# EAGLE board working (EAGLE 9.6.2), part 16 of 28
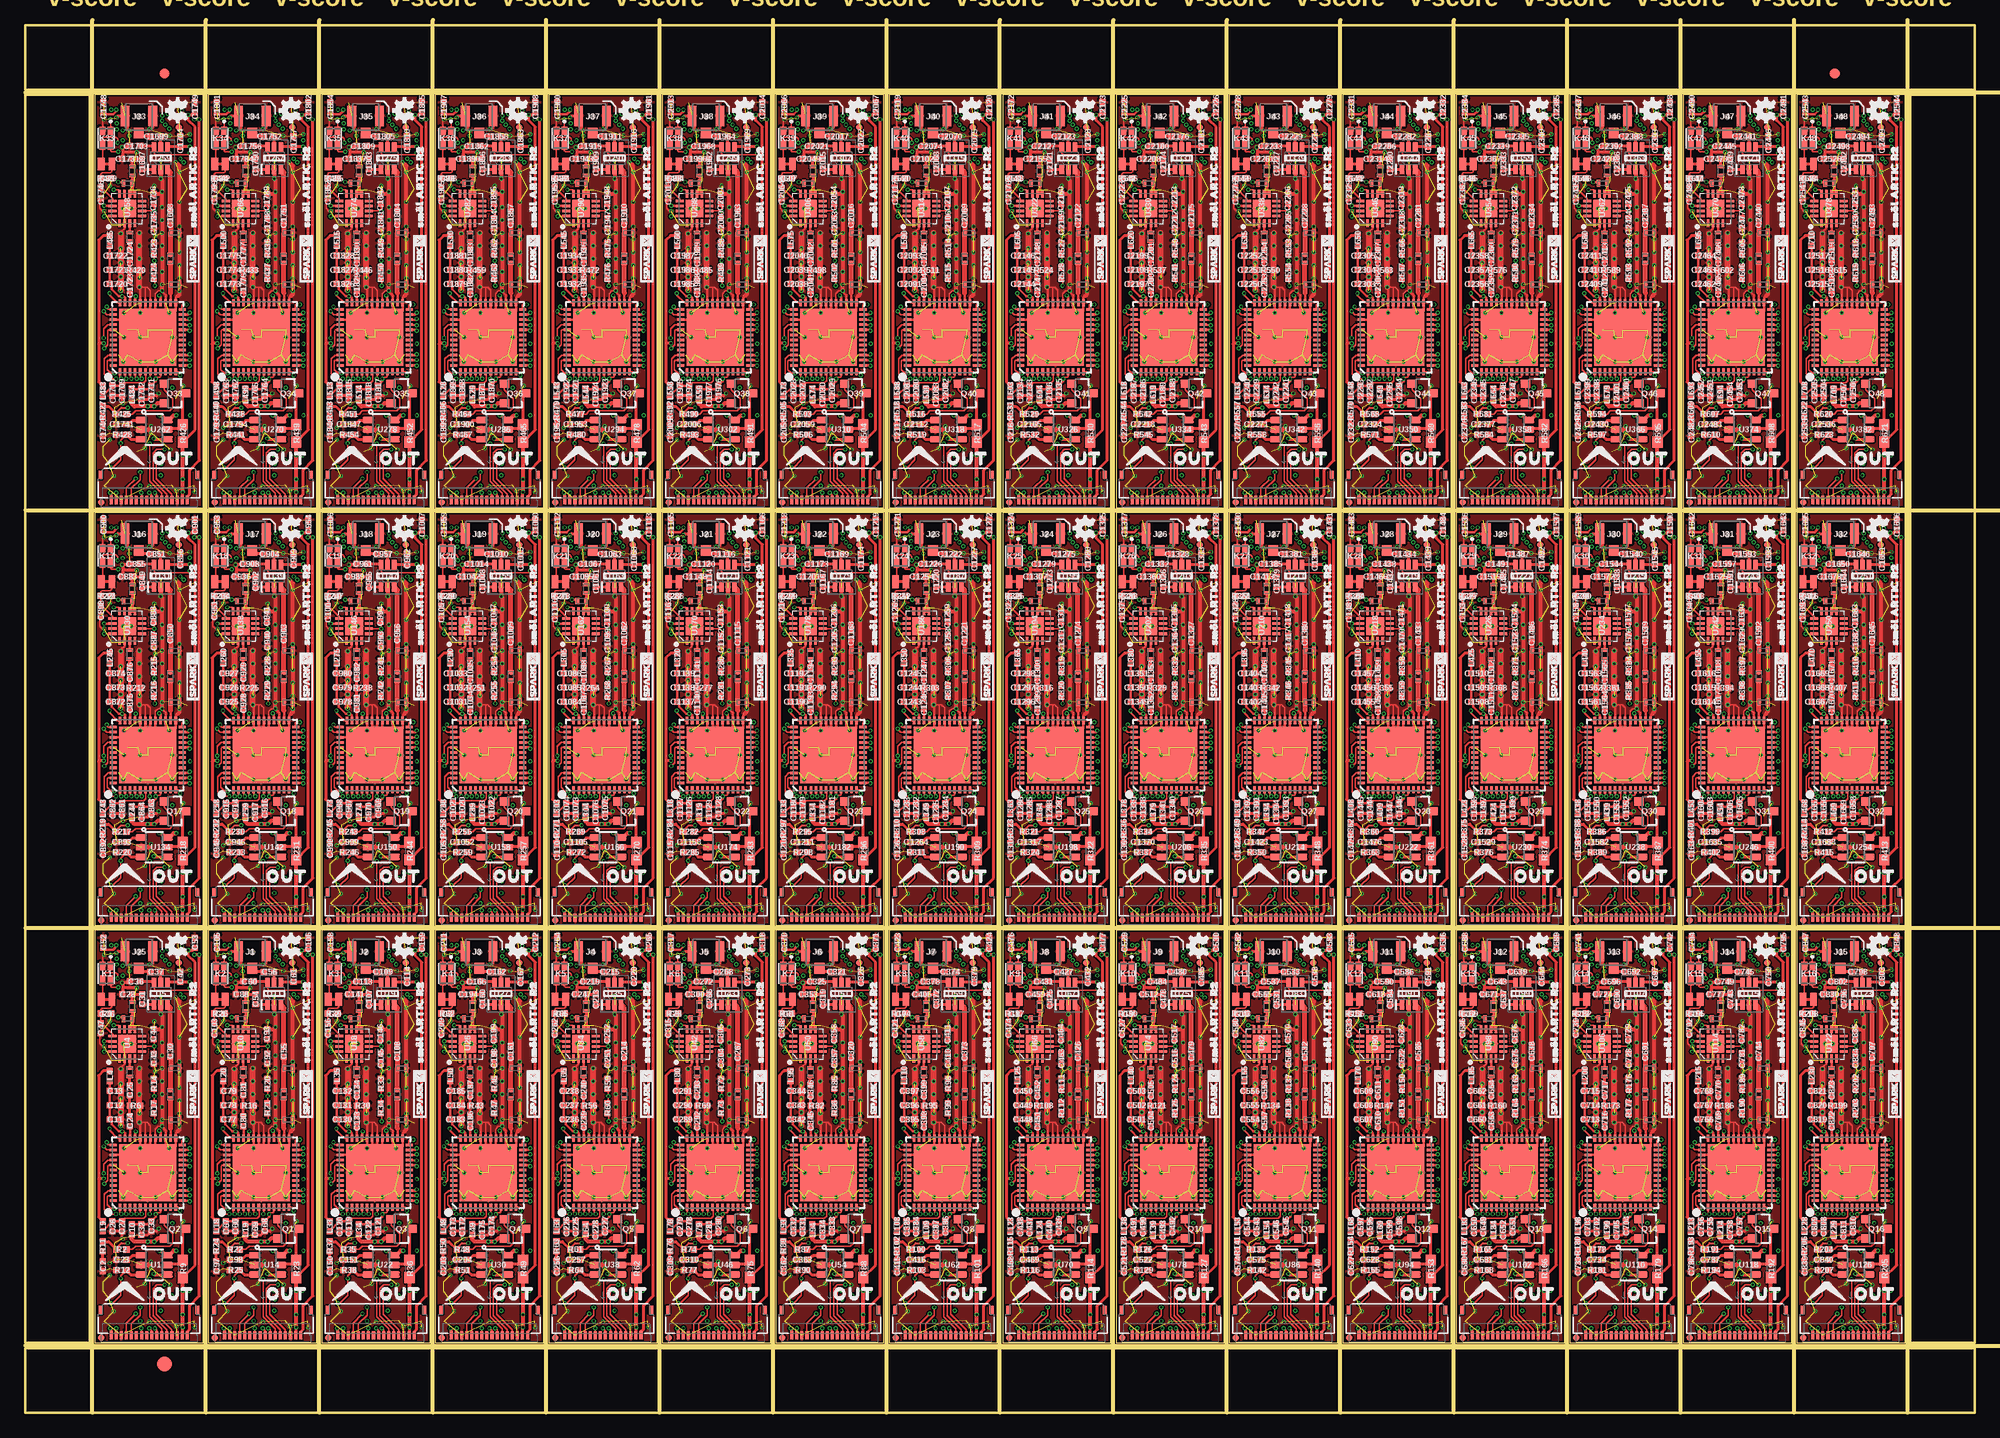
[diagram p0: board, top side]
## Tracks (layer width: path | path; a pad name or v marks a point on that pad's centre or on a via) (continued)
GND6  (via drill 0.2)  (89 unrouted) (continued)
  Top 0.254: v80.52,28.19 80.52,28.13 80.87,27.78 U49.27 80.87,25.94 80.9,25.91 | 82.04,27.69 81.87,27.52 U49.25 81.87,26.25 81.53,25.91 80.9,25.91 | 78.37,26.05 U49.32 78.37,28.5 v78.3,28.57 | 78.37,26.05 v78.36,26.04 | U49.39 76.53,25.37 76.77,25.62 v76.77,26.04 | 80.9,25.91 79.88,25.91 | 79.88,25.91 79.38,25.91 | 79.38,25.91 78.87,25.91 | 78.87,25.91 78.51,25.91 78.37,26.05 | U49.31 78.87,25.91 | U49.30 79.37,25.91 79.38,25.91 | U49.29 79.87,25.92 79.88,25.91
  Top 0.305: v76.01,45.27 76.17,45.44 J6.2 77.09,45.21 77.09,44.2 v77.28,44.01 | v79.25,44.13 79.44,44.13 79.61,44.3 J6.1 | C334.2 79.12,17.53 C333.2 79.95,17.85 v80.2,18.1 | v76.65,17.14 76.58,17.21 C331.2 C332.2 | C353.1 76.59,41.35 76.71,41.47 76.71,41.85 | 76.71,41.85 76.71,42.23 v76.58,42.35 77.22,42.35 C325.2 | v78.04,41.85 76.71,41.85
  Top 0.406: 82.04,27.69 82.22,27.86 L102.P$1 L103.P$1 82.22,34.53 v82.23,34.54 82.23,40.51 v81.85,40.89 | 78.36,30.22 R82.1 | v80.52,28.19 v80.52,28.83 v80.52,30.1 v80.52,31.37 v80.52,32.64 v80.52,33.91 v80.52,35.18 v80.52,36.45 v80.52,37.97 | C358.2 80.32,37.77 v80.52,37.97 | v79.44,14.86 79.12,14.54 | U54.2 79.12,14.54 | v79.44,14.22 79.12,14.54 | U51.2 v80.39,39.24 80.52,39.12 v80.52,37.97
  Top 0.61: v78.3,28.57 v78.3,29.46 v78.3,31.37 v78.3,32.64 v78.3,33.91 | 76.45,28.31 v76.45,29.59 v76.45,30.99 v76.45,32.38 v76.45,33.85
  Bottom 0.152: U55.4 82.79,18.68 v82.61,18.86 | v76.58,42.35 75.82,42.35 74.81,41.35 R83.2 C347.1 74.81,39.11 v75.37,38.54 | X7.2 75.35,23.95 74.17,23.95 | C323.2 74.17,13.46 74.17,20.9 | 74.17,23.95 74.17,27.12 74.36,27.3 C336.2 74.94,27.3 75.85,26.4 76.19,26.4 76.55,26.04 v76.77,26.04 | 74.17,23.95 74.17,20.9 | R81.2 74.18,20.9 74.17,20.9
  Bottom 0.254: X7.1 77.15,24 v76.77,23.62
  Bottom 0.305: C367.2 80.71,17.59 v80.2,18.1
  Bottom 0.406: v75.37,14.73 75.37,14.22 U52.2 75.37,14.1 v75.37,13.53
  other vias: 82.23,29.46 82.23,28.19 82.23,32 82.23,33.27 78.36,23.62 76.71,21.21 78.36,21.21 79.88,21.21 81.53,21.21 82.23,30.73 76.45,28.19 76.71,36.32 77.47,36.32 79.76,38.54 83.25,43.62 80.39,41.02 82.23,36.96 82.23,39.88 81.92,8.51 83.76,8.38 78.8,12.7 82.23,45.34 81.53,23.62 79.25,8.95 75.76,9.97 81.34,12.57 81.22,26.04 81.28,43.5 79.84,33.62 75.25,11.24
  cutout Route2 (isolate 0.305): 80.77,40.64 81.92,40.64 81.92,27.94 81.66,27.69 81.66,26.54 81.03,26.54 81.03,27.81 80.77,28.07
  pour Top (isolate 0.152, rank 3): 73.91,47.5 84.58,47.5 84.58,6.86 73.91,6.86
  pour Route2 (isolate 0.152, rank 2): 73.91,47.5 84.58,47.5 84.58,6.86 73.91,6.86
  pour Route15 (isolate 0.152, rank 2): 73.91,47.5 84.58,47.5 84.58,6.86 73.91,6.86
  pour Bottom (isolate 0.152, rank 2): 73.91,47.5 84.58,47.5 84.58,6.86 73.91,6.86
  pour Top (isolate 0.102): 76.2,35.18 78.61,35.18 78.61,26.29 76.2,26.29
  pour Top (isolate 0.102): 80.33,40.64 82.42,40.64 82.42,26.29 80.33,26.29
  pour Top (isolate 0.102): 76.84,41.59 80.33,41.59 80.33,37.15 76.84,37.15
  pour Top (isolate 0.102): 76.26,46.61 80.84,46.61 80.84,41.59 76.26,41.59
GND7  (via drill 0.2)  (89 unrouted)
  Top 0.152: U57.30 90.55,28.26 90.23,28.57 90.04,28.57 | v89.47,28.57 90.04,28.57 | U57.31 90.05,28.57 90.04,28.57 | U57.29 91.03,27.04 91.03,27.91 91.31,28.19 v91.69,28.19 | v85.98,36.07 85.79,36.07 85.54,36.32 85.54,37.22 C421.1 | K8.2 85.83,44.94 v85.98,45.08
  Top 0.203: U58.2 88.02,34.36 87.63,33.97 v87.63,33.85
  Top 0.254: v91.69,28.19 91.69,28.13 92.05,27.78 U57.27 92.05,25.94 92.08,25.91 | 93.22,27.69 93.05,27.52 U57.25 93.05,26.25 92.71,25.91 92.08,25.91 | v89.55,26.05 U57.32 89.55,28.5 v89.47,28.57 | v89.55,26.05 v89.54,26.04 | U57.39 87.7,25.37 87.95,25.62 v87.95,26.04 | 92.08,25.91 91.06,25.91 | 91.06,25.91 90.55,25.91 | 90.55,25.91 90.04,25.91 | 90.04,25.91 89.69,25.91 v89.55,26.05 | U57.31 90.05,25.91 90.04,25.91 | U57.30 90.55,25.91 | U57.29 91.05,25.92 91.06,25.91
  Top 0.305: v87.19,45.27 87.35,45.44 J7.2 88.27,45.21 88.27,44.2 v88.45,44.01 | v90.42,44.13 90.62,44.13 90.78,44.3 J7.1 | C387.2 90.3,17.53 C386.2 91.13,17.85 v91.38,18.1 | v87.82,17.14 87.76,17.21 C384.2 C385.2 | C406.1 87.77,41.35 87.88,41.47 87.88,41.85 | 87.88,41.85 87.88,42.23 v87.76,42.35 88.4,42.35 C378.2 | v89.22,41.85 87.88,41.85
  Top 0.406: 93.22,27.69 93.4,27.86 L117.P$1 L118.P$1 93.4,34.53 v93.41,34.54 93.41,40.51 v93.03,40.89 | R95.1 | v91.69,28.19 v91.69,28.83 v91.69,30.1 v91.69,31.37 v91.69,32.64 v91.69,33.91 v91.69,35.18 v91.69,36.45 v91.69,37.97 | C411.2 91.5,37.77 v91.69,37.97 | v90.62,14.86 90.3,14.54 | U62.2 90.3,14.54 | v90.62,14.22 90.3,14.54 | U59.2 v91.57,39.24 91.69,39.12 v91.69,37.97
  Top 0.61: v89.47,28.57 v89.47,29.46 v89.47,31.37 v89.47,32.64 v89.47,33.91 | 87.63,28.31 v87.63,29.59 v87.63,30.99 v87.63,32.38 v87.63,33.85
  Bottom 0.152: U63.4 93.97,18.68 v93.79,18.86 | v87.76,42.35 87,42.35 85.99,41.35 R96.2 C400.1 85.99,39.11 v86.55,38.54 | X8.2 86.53,23.95 85.35,23.95 | C376.2 85.35,13.46 85.35,20.9 | 85.35,23.95 85.35,27.12 85.53,27.3 C389.2 86.11,27.3 87.02,26.4 87.36,26.4 87.73,26.04 v87.95,26.04 | 85.35,23.95 85.35,20.9 | R94.2 85.35,20.9
  Bottom 0.254: X8.1 88.33,24 v87.95,23.62
  Bottom 0.305: C420.2 91.88,17.59 v91.38,18.1
  Bottom 0.406: v86.55,14.73 86.55,14.22 U60.2 86.55,14.1 v86.55,13.53
  other vias: 93.41,29.46 93.41,28.19 93.41,32 93.41,33.27 89.54,23.62 87.88,21.21 89.54,21.21 91.06,21.21 92.71,21.21 93.41,30.73 87.63,28.19 87.88,36.32 88.65,36.32 90.93,38.54 94.42,43.62 91.57,41.02 93.41,36.96 93.41,39.88 93.09,8.51 94.93,8.38 89.98,12.7 93.41,45.34 92.71,23.62 90.42,8.95 86.93,9.97 92.52,12.57 92.39,26.04 92.46,43.5 91.02,33.62 86.42,11.24
  cutout Route2 (isolate 0.305): 91.95,40.64 93.09,40.64 93.09,27.94 92.84,27.69 92.84,26.54 92.2,26.54 92.2,27.81 91.95,28.07
  pour Top (isolate 0.152, rank 3): 85.09,47.5 95.76,47.5 95.76,6.86 85.09,6.86
  pour Route2 (isolate 0.152, rank 2): 85.09,47.5 95.76,47.5 95.76,6.86 85.09,6.86
  pour Route15 (isolate 0.152, rank 2): 85.09,47.5 95.76,47.5 95.76,6.86 85.09,6.86
  pour Bottom (isolate 0.152, rank 2): 85.09,47.5 95.76,47.5 95.76,6.86 85.09,6.86
  pour Top (isolate 0.102): 87.38,35.18 89.79,35.18 89.79,26.29 87.38,26.29
  pour Top (isolate 0.102): 91.5,40.64 93.6,40.64 93.6,26.29 91.5,26.29
  pour Top (isolate 0.102): 88.01,41.59 91.5,41.59 91.5,37.15 88.01,37.15
  pour Top (isolate 0.102): 87.44,46.61 92.01,46.61 92.01,41.59 87.44,41.59
GND8  (via drill 0.2)  (89 unrouted)
  Top 0.152: U65.30 101.72,28.26 101.41,28.57 101.22,28.57 | v100.65,28.57 101.22,28.57 | U65.31 101.22,28.57 | U65.29 102.2,27.04 102.2,27.91 102.48,28.19 v102.87,28.19 | v97.16,36.07 96.96,36.07 96.71,36.32 96.71,37.22 C474.1 | K9.2 97.01,44.94 v97.16,45.08
  Top 0.203: U66.2 99.19,34.36 98.81,33.97 v98.81,33.85
  Top 0.254: v102.87,28.19 102.87,28.13 103.22,27.78 U65.27 103.22,25.94 103.25,25.91 | 104.39,27.69 104.22,27.52 U65.25 104.22,26.25 103.89,25.91 103.25,25.91 | 100.72,26.05 U65.32 100.72,28.5 v100.65,28.57 | 100.72,26.05 v100.71,26.04 | U65.39 98.88,25.37 99.12,25.62 v99.12,26.04 | 103.25,25.91 102.23,25.91 | 102.23,25.91 101.73,25.91 | 101.73,25.91 101.22,25.91 | 101.22,25.91 100.86,25.91 100.72,26.05 | U65.31 101.22,25.91 | U65.30 101.72,25.91 101.73,25.91 | U65.29 102.22,25.92 102.23,25.91
  Top 0.305: v98.36,45.27 98.53,45.44 J8.2 99.44,45.21 99.44,44.2 v99.63,44.01 | v101.6,44.13 101.79,44.13 101.96,44.3 J8.1 | C440.2 101.47,17.53 C439.2 102.31,17.85 v102.55,18.1 | v99,17.14 98.93,17.21 C437.2 C438.2 | C459.1 98.94,41.35 99.06,41.47 99.06,41.85 | 99.06,41.85 99.06,42.23 v98.93,42.35 99.58,42.35 C431.2 | v100.39,41.85 99.06,41.85
  Top 0.406: 104.39,27.69 104.57,27.86 L132.P$1 L133.P$1 104.57,34.53 v104.59,34.54 104.59,40.51 v104.2,40.89 | 100.71,30.22 R108.1 | v102.87,28.19 v102.87,28.83 v102.87,30.1 v102.87,31.37 v102.87,32.64 v102.87,33.91 v102.87,35.18 v102.87,36.45 v102.87,37.97 | C464.2 102.67,37.77 v102.87,37.97 | v101.79,14.86 101.47,14.54 | U70.2 101.47,14.54 | v101.79,14.22 101.47,14.54 | U67.2 v102.74,39.24 102.87,39.12 v102.87,37.97
  Top 0.61: v100.65,28.57 v100.65,29.46 v100.65,31.37 v100.65,32.64 v100.65,33.91 | 98.81,28.31 v98.81,29.59 v98.81,30.99 v98.81,32.38 v98.81,33.85
  Bottom 0.152: U71.4 105.14,18.68 v104.97,18.86 | v98.93,42.35 98.17,42.35 97.16,41.35 R109.2 C453.1 97.16,39.11 v97.73,38.54 | X9.2 97.7,23.95 96.53,23.95 | C429.2 96.53,13.46 96.53,20.9 | 96.53,23.95 96.53,27.12 96.71,27.3 C442.2 97.29,27.3 98.2,26.4 98.54,26.4 98.9,26.04 v99.12,26.04 | 96.53,23.95 96.53,20.9 | R107.2 96.53,20.9
  Bottom 0.254: X9.1 99.51,24 v99.12,23.62
  Bottom 0.305: C473.2 103.06,17.59 v102.55,18.1
  Bottom 0.406: v97.73,14.73 97.73,14.22 U68.2 97.73,14.1 v97.73,13.53
  other vias: 104.58,29.46 104.58,28.19 104.58,32 104.58,33.27 100.71,23.62 99.06,21.21 100.71,21.21 102.23,21.21 103.89,21.21 104.58,30.73 98.81,28.19 99.06,36.32 99.82,36.32 102.11,38.54 105.6,43.62 102.74,41.02 104.58,36.96 104.58,39.88 104.27,8.51 106.11,8.38 101.16,12.7 104.58,45.34 103.89,23.62 101.6,8.95 98.11,9.97 103.7,12.57 103.57,26.04 103.63,43.5 102.2,33.62 97.6,11.24
  cutout Route2 (isolate 0.305): 103.12,40.64 104.27,40.64 104.27,27.94 104.01,27.69 104.01,26.54 103.38,26.54 103.38,27.81 103.12,28.07
  pour Top (isolate 0.152, rank 3): 96.27,47.5 106.93,47.5 106.93,6.86 96.27,6.86
  pour Route2 (isolate 0.152, rank 2): 96.27,47.5 106.93,47.5 106.93,6.86 96.27,6.86
  pour Route15 (isolate 0.152, rank 2): 96.27,47.5 106.93,47.5 106.93,6.86 96.27,6.86
  pour Bottom (isolate 0.152, rank 2): 96.27,47.5 106.93,47.5 106.93,6.86 96.27,6.86
  pour Top (isolate 0.102): 98.55,35.18 100.97,35.18 100.97,26.29 98.55,26.29
  pour Top (isolate 0.102): 102.68,40.64 104.78,40.64 104.78,26.29 102.68,26.29
  pour Top (isolate 0.102): 99.19,41.59 102.68,41.59 102.68,37.15 99.19,37.15
  pour Top (isolate 0.102): 98.62,46.61 103.19,46.61 103.19,41.59 98.62,41.59
GND9  (via drill 0.2)  (89 unrouted)
  Top 0.152: U73.30 112.9,28.26 112.59,28.57 112.4,28.57 | v111.82,28.57 112.4,28.57 | U73.31 112.4,28.57 | U73.29 113.38,27.04 113.38,27.91 113.66,28.19 v114.05,28.19 | v108.33,36.07 108.14,36.07 107.89,36.32 107.89,37.22 C527.1 | K10.2 108.19,44.94 v108.33,45.08
  Top 0.203: U74.2 110.37,34.36 109.98,33.97 v109.98,33.85
  Top 0.254: v114.05,28.19 114.05,28.13 114.4,27.78 U73.27 114.4,25.94 114.43,25.91 | 115.57,27.69 115.4,27.52 U73.25 115.4,26.25 115.06,25.91 114.43,25.91 | v111.9,26.05 U73.32 111.9,28.5 v111.82,28.57 | v111.9,26.05 v111.89,26.04 | U73.39 110.06,25.37 110.3,25.62 v110.3,26.04 | 114.43,25.91 113.41,25.91 | 113.41,25.91 112.9,25.91 | 112.9,25.91 112.4,25.91 | 112.4,25.91 112.04,25.91 v111.9,26.05 | U73.31 112.4,25.91 | U73.30 112.9,25.91 | U73.29 113.4,25.92 113.41,25.91
  Top 0.305: v109.54,45.27 109.7,45.44 J9.2 110.62,45.21 110.62,44.2 v110.81,44.01 | v112.78,44.13 112.97,44.13 113.14,44.3 J9.1 | C493.2 112.65,17.53 C492.2 113.48,17.85 v113.73,18.1 | v110.17,17.14 110.11,17.21 C490.2 C491.2 | C512.1 110.12,41.35 110.24,41.47 110.24,41.85 | 110.24,41.85 110.24,42.23 v110.11,42.35 110.75,42.35 C484.2 | v111.57,41.85 110.24,41.85
  Top 0.406: 115.57,27.69 115.75,27.86 L147.P$1 L148.P$1 115.75,34.53 v115.76,34.54 115.76,40.51 v115.38,40.89 | R121.1 | v114.05,28.19 v114.05,28.83 v114.05,30.1 v114.05,31.37 v114.05,32.64 v114.05,33.91 v114.05,35.18 v114.05,36.45 v114.05,37.97 | C517.2 113.85,37.77 v114.05,37.97 | v112.97,14.86 112.65,14.54 | U78.2 112.65,14.54 | v112.97,14.22 112.65,14.54 | U75.2 v113.92,39.24 114.05,39.12 v114.05,37.97
  Top 0.61: v111.82,28.57 v111.82,29.46 v111.82,31.37 v111.82,32.64 v111.82,33.91 | 109.98,28.31 v109.98,29.59 v109.98,30.99 v109.98,32.38 v109.98,33.85
  Bottom 0.152: U79.4 116.32,18.68 v116.14,18.86 | v110.11,42.35 109.35,42.35 108.34,41.35 R122.2 C506.1 108.34,39.11 v108.9,38.54 | X10.2 108.88,23.95 107.7,23.95 | C482.2 107.7,13.46 107.7,20.9 | 107.7,23.95 107.7,27.12 107.88,27.3 C495.2 108.47,27.3 109.37,26.4 109.72,26.4 110.08,26.04 v110.3,26.04 | 107.7,23.95 107.7,20.9 | R120.2 107.7,20.9
  Bottom 0.254: X10.1 110.68,24 v110.3,23.62
  Bottom 0.305: C526.2 114.24,17.59 v113.73,18.1
  Bottom 0.406: v108.9,14.73 108.9,14.22 U76.2 108.9,14.1 v108.9,13.53
  other vias: 115.76,29.46 115.76,28.19 115.76,32 115.76,33.27 111.89,23.62 110.24,21.21 111.89,21.21 113.41,21.21 115.06,21.21 115.76,30.73 109.98,28.19 110.24,36.32 111,36.32 113.28,38.54 116.78,43.62 113.92,41.02 115.76,36.96 115.76,39.88 115.44,8.51 117.28,8.38 112.33,12.7 115.76,45.34 115.06,23.62 112.78,8.95 109.28,9.97 114.87,12.57 114.74,26.04 114.81,43.5 113.37,33.62 108.78,11.24
  cutout Route2 (isolate 0.305): 114.3,40.64 115.44,40.64 115.44,27.94 115.19,27.69 115.19,26.54 114.55,26.54 114.55,27.81 114.3,28.07
  pour Top (isolate 0.152, rank 3): 107.44,47.5 118.11,47.5 118.11,6.86 107.44,6.86
  pour Route2 (isolate 0.152, rank 2): 107.44,47.5 118.11,47.5 118.11,6.86 107.44,6.86
  pour Route15 (isolate 0.152, rank 2): 107.44,47.5 118.11,47.5 118.11,6.86 107.44,6.86
  pour Bottom (isolate 0.152, rank 2): 107.44,47.5 118.11,47.5 118.11,6.86 107.44,6.86
  pour Top (isolate 0.102): 109.73,35.18 112.14,35.18 112.14,26.29 109.73,26.29
  pour Top (isolate 0.102): 113.86,40.64 115.95,40.64 115.95,26.29 113.86,26.29
  pour Top (isolate 0.102): 110.36,41.59 113.86,41.59 113.86,37.15 110.36,37.15
  pour Top (isolate 0.102): 109.79,46.61 114.36,46.61 114.36,41.59 109.79,41.59
GND10  (via drill 0.2)  (89 unrouted)
  Top 0.152: U81.30 124.08,28.26 123.76,28.57 123.57,28.57 | v123,28.57 123.57,28.57 | U81.31 123.58,28.57 123.57,28.57 | U81.29 124.56,27.04 124.56,27.91 124.84,28.19 v125.22,28.19 | v119.51,36.07 119.32,36.07 119.06,36.32 119.06,37.22 C580.1 | K11.2 119.36,44.94 v119.51,45.08
  Top 0.203: U82.2 121.54,34.36 121.16,33.97 v121.16,33.85
  Top 0.254: v125.22,28.19 125.22,28.13 125.58,27.78 U81.27 125.58,25.94 125.6,25.91 | 126.75,27.69 126.58,27.52 U81.25 126.58,26.25 126.24,25.91 125.6,25.91 | 123.08,26.05 U81.32 123.08,28.5 v123,28.57 | 123.08,26.05 v123.06,26.04 | U81.39 121.23,25.37 121.48,25.62 v121.48,26.04 | 125.6,25.91 124.59,25.91 | 124.59,25.91 124.08,25.91 | 124.08,25.91 123.57,25.91 | 123.57,25.91 123.21,25.91 123.08,26.05 | U81.31 123.58,25.91 123.57,25.91 | U81.30 124.08,25.91 | U81.29 124.58,25.92 124.59,25.91
  Top 0.305: v120.71,45.27 120.88,45.44 J10.2 121.79,45.21 121.79,44.2 v121.98,44.01 | v123.95,44.13 124.14,44.13 124.31,44.3 J10.1 | C546.2 123.83,17.53 C545.2 124.66,17.85 v124.9,18.1 | v121.35,17.14 121.29,17.21 C543.2 C544.2 | C565.1 121.29,41.35 121.41,41.47 121.41,41.85 | 121.41,41.85 121.41,42.23 v121.29,42.35 121.93,42.35 C537.2 | v122.75,41.85 121.41,41.85
  Top 0.406: 126.75,27.69 126.92,27.86 L162.P$1 L163.P$1 126.92,34.53 v126.94,34.54 126.94,40.51 v126.56,40.89 | R134.1 | v125.22,28.19 v125.22,28.83 v125.22,30.1 v125.22,31.37 v125.22,32.64 v125.22,33.91 v125.22,35.18 v125.22,36.45 v125.22,37.97 | C570.2 125.02,37.77 v125.22,37.97 | v124.14,14.86 123.83,14.54 | U86.2 123.83,14.54 | v124.14,14.22 123.83,14.54 | U83.2 v125.09,39.24 125.22,39.12 v125.22,37.97
  Top 0.61: v123,28.57 v123,29.46 v123,31.37 v123,32.64 v123,33.91 | 121.16,28.31 v121.16,29.59 v121.16,30.99 v121.16,32.38 v121.16,33.85
  Bottom 0.152: U87.4 127.5,18.68 v127.32,18.86 | v121.29,42.35 120.52,42.35 119.52,41.35 R135.2 C559.1 119.52,39.11 v120.08,38.54 | X11.2 120.06,23.95 118.88,23.95 | C535.2 118.88,13.46 118.88,20.9 | 118.88,23.95 118.88,27.12 119.06,27.3 C548.2 119.64,27.3 120.55,26.4 120.89,26.4 121.25,26.04 v121.48,26.04 | 118.88,23.95 118.88,20.9 | R133.2 118.88,20.9
  Bottom 0.254: X11.1 121.86,24 v121.48,23.62
  Bottom 0.305: C579.2 125.41,17.59 v124.9,18.1
  Bottom 0.406: v120.08,14.73 120.08,14.22 U84.2 120.08,14.1 v120.08,13.53
  other vias: 126.94,29.46 126.94,28.19 126.94,32 126.94,33.27 123.06,23.62 121.41,21.21 123.06,21.21 124.59,21.21 126.24,21.21 126.94,30.73 121.16,28.19 121.41,36.32 122.17,36.32 124.46,38.54 127.95,43.62 125.09,41.02 126.94,36.96 126.94,39.88 126.62,8.51 128.46,8.38 123.51,12.7 126.94,45.34 126.24,23.62 123.95,8.95 120.46,9.97 126.05,12.57 125.92,26.04 125.98,43.5 124.55,33.62 119.95,11.24
  cutout Route2 (isolate 0.305): 125.48,40.64 126.62,40.64 126.62,27.94 126.37,27.69 126.37,26.54 125.73,26.54 125.73,27.81 125.48,28.07
  pour Top (isolate 0.152, rank 3): 118.62,47.5 129.29,47.5 129.29,6.86 118.62,6.86
  pour Route2 (isolate 0.152, rank 2): 118.62,47.5 129.29,47.5 129.29,6.86 118.62,6.86
  pour Route15 (isolate 0.152, rank 2): 118.62,47.5 129.29,47.5 129.29,6.86 118.62,6.86
  pour Bottom (isolate 0.152, rank 2): 118.62,47.5 129.29,47.5 129.29,6.86 118.62,6.86
  pour Top (isolate 0.102): 120.9,35.18 123.32,35.18 123.32,26.29 120.9,26.29
  pour Top (isolate 0.102): 125.03,40.64 127.13,40.64 127.13,26.29 125.03,26.29
  pour Top (isolate 0.102): 121.54,41.59 125.03,41.59 125.03,37.15 121.54,37.15
  pour Top (isolate 0.102): 120.97,46.61 125.54,46.61 125.54,41.59 120.97,41.59
GND11  (via drill 0.2)  (89 unrouted)
  Top 0.152: U89.30 135.25,28.26 134.94,28.57 134.75,28.57 | v134.17,28.57 134.75,28.57 | U89.31 134.75,28.57 | U89.29 135.73,27.04 135.73,27.91 136.01,28.19 v136.4,28.19 | v130.68,36.07 130.49,36.07 130.24,36.32 130.24,37.22 C633.1 | K12.2 130.54,44.94 v130.68,45.08
  Top 0.203: U90.2 132.72,34.36 132.33,33.97 v132.33,33.85
  Top 0.254: v136.4,28.19 136.4,28.13 136.75,27.78 U89.27 136.75,25.94 136.78,25.91 | 137.92,27.69 137.75,27.52 U89.25 137.75,26.25 137.41,25.91 136.78,25.91 | 134.25,26.05 U89.32 134.25,28.5 v134.17,28.57 | 134.25,26.05 v134.24,26.04 | U89.39 132.41,25.37 132.65,25.62 v132.65,26.04 | 136.78,25.91 135.76,25.91 | 135.76,25.91 135.25,25.91 | 135.25,25.91 134.75,25.91 | 134.75,25.91 134.39,25.91 134.25,26.05 | U89.31 134.75,25.91 | U89.30 135.25,25.91 | U89.29 135.75,25.92 135.76,25.91
  Top 0.305: v131.89,45.27 132.05,45.44 J11.2 132.97,45.21 132.97,44.2 v133.16,44.01 | v135.13,44.13 135.32,44.13 135.49,44.3 J11.1 | C599.2 135,17.53 C598.2 135.83,17.85 v136.08,18.1 | v132.52,17.14 132.46,17.21 C596.2 C597.2 | C618.1 132.47,41.35 132.59,41.47 132.59,41.85 | 132.59,41.85 132.59,42.23 v132.46,42.35 133.1,42.35 C590.2 | v133.92,41.85 132.59,41.85
  Top 0.406: 137.92,27.69 138.1,27.86 L177.P$1 L178.P$1 138.1,34.53 v138.11,34.54 138.11,40.51 v137.73,40.89 | 134.24,30.22 R147.1 | v136.4,28.19 v136.4,28.83 v136.4,30.1 v136.4,31.37 v136.4,32.64 v136.4,33.91 v136.4,35.18 v136.4,36.45 v136.4,37.97 | C623.2 136.2,37.77 v136.4,37.97 | v135.32,14.86 135,14.54 | U94.2 135,14.54 | v135.32,14.22 135,14.54 | U91.2 v136.27,39.24 136.4,39.12 v136.4,37.97
  Top 0.61: v134.17,28.57 v134.17,29.46 v134.17,31.37 v134.17,32.64 v134.17,33.91 | 132.33,28.31 v132.33,29.59 v132.33,30.99 v132.33,32.38 v132.33,33.85
  Bottom 0.152: U95.4 138.67,18.68 v138.49,18.86 | v132.46,42.35 131.7,42.35 130.69,41.35 R148.2 C612.1 130.69,39.11 v131.25,38.54 | X12.2 131.23,23.95 130.05,23.95 | C588.2 130.05,13.46 130.05,20.9 | 130.05,23.95 130.05,27.12 130.24,27.3 C601.2 130.82,27.3 131.73,26.4 132.07,26.4 132.43,26.04 v132.65,26.04 | 130.05,23.95 130.05,20.9 | R146.2 130.06,20.9 130.05,20.9
  Bottom 0.254: X12.1 133.03,24 v132.65,23.62
  Bottom 0.305: C632.2 136.59,17.59 v136.08,18.1
  Bottom 0.406: v131.25,14.73 131.25,14.22 U92.2 131.25,14.1 v131.25,13.53
  other vias: 138.11,29.46 138.11,28.19 138.11,32 138.11,33.27 134.24,23.62 132.59,21.21 134.24,21.21 135.76,21.21 137.41,21.21 138.11,30.73 132.33,28.19 132.59,36.32 133.35,36.32 135.64,38.54 139.13,43.62 136.27,41.02 138.11,36.96 138.11,39.88 137.8,8.51 139.64,8.38 134.68,12.7 138.11,45.34 137.41,23.62 135.13,8.95 131.64,9.97 137.22,12.57 137.1,26.04 137.16,43.5 135.72,33.62 131.13,11.24
  cutout Route2 (isolate 0.305): 136.65,40.64 137.8,40.64 137.8,27.94 137.54,27.69 137.54,26.54 136.91,26.54 136.91,27.81 136.65,28.07
  pour Top (isolate 0.152, rank 3): 129.79,47.5 140.46,47.5 140.46,6.86 129.79,6.86
  pour Route2 (isolate 0.152, rank 2): 129.79,47.5 140.46,47.5 140.46,6.86 129.79,6.86
  pour Route15 (isolate 0.152, rank 2): 129.79,47.5 140.46,47.5 140.46,6.86 129.79,6.86
  pour Bottom (isolate 0.152, rank 2): 129.79,47.5 140.46,47.5 140.46,6.86 129.79,6.86
  pour Top (isolate 0.102): 132.08,35.18 134.49,35.18 134.49,26.29 132.08,26.29
  pour Top (isolate 0.102): 136.21,40.64 138.3,40.64 138.3,26.29 136.21,26.29
  pour Top (isolate 0.102): 132.72,41.59 136.21,41.59 136.21,37.15 132.72,37.15
  pour Top (isolate 0.102): 132.14,46.61 136.72,46.61 136.72,41.59 132.14,41.59
GND12  (via drill 0.2)  (89 unrouted)
  Top 0.152: U97.30 146.43,28.26 146.11,28.57 145.92,28.57 | v145.35,28.57 145.92,28.57 | U97.31 145.93,28.57 145.92,28.57 | U97.29 146.91,27.04 146.91,27.91 147.19,28.19 v147.57,28.19 | v141.86,36.07 141.67,36.07 141.41,36.32 141.41,37.22 C686.1 | K13.2 141.71,44.94 v141.86,45.08
  Top 0.203: U98.2 143.9,34.36 143.51,33.97 v143.51,33.85
  Top 0.254: v147.57,28.19 147.57,28.13 147.93,27.78 U97.27 147.93,25.94 147.96,25.91 | 149.1,27.69 148.93,27.52 U97.25 148.93,26.25 148.59,25.91 147.96,25.91 | v145.43,26.05 U97.32 145.43,28.5 v145.35,28.57 | v145.43,26.05 v145.41,26.04 | U97.39 143.58,25.37 143.83,25.62 v143.83,26.04 | 147.96,25.91 146.94,25.91 | 146.94,25.91 146.43,25.91 | 146.43,25.91 145.92,25.91 | 145.92,25.91 145.57,25.91 v145.43,26.05 | U97.31 145.93,25.91 145.92,25.91 | U97.30 146.43,25.91 | U97.29 146.93,25.92 146.94,25.91
  Top 0.305: v143.07,45.27 143.23,45.44 J12.2 144.15,45.21 144.15,44.2 v144.34,44.01 | v146.3,44.13 146.5,44.13 146.66,44.3 J12.1 | C652.2 146.18,17.53 C651.2 147.01,17.85 v147.26,18.1 | v143.7,17.14 143.64,17.21 C649.2 C650.2 | C671.1 143.65,41.35 143.76,41.47 143.76,41.85 | 143.76,41.85 143.76,42.23 v143.64,42.35 144.28,42.35 C643.2 | v145.1,41.85 143.76,41.85
  Top 0.406: 149.1,27.69 149.28,27.86 L192.P$1 L193.P$1 149.28,34.53 v149.29,34.54 149.29,40.51 v148.91,40.89 | R160.1 | v147.57,28.19 v147.57,28.83 v147.57,30.1 v147.57,31.37 v147.57,32.64 v147.57,33.91 v147.57,35.18 v147.57,36.45 v147.57,37.97 | C676.2 147.38,37.77 v147.57,37.97 | v146.5,14.86 146.18,14.54 | U102.2 146.18,14.54 | v146.5,14.22 146.18,14.54 | U99.2 v147.45,39.24 147.57,39.12 v147.57,37.97
  Top 0.61: v145.35,28.57 v145.35,29.46 v145.35,31.37 v145.35,32.64 v145.35,33.91 | 143.51,28.31 v143.51,29.59 v143.51,30.99 v143.51,32.38 v143.51,33.85
  Bottom 0.152: U103.4 149.85,18.68 v149.67,18.86 | v143.64,42.35 142.88,42.35 141.87,41.35 R161.2 C665.1 141.87,39.11 v142.43,38.54 | X13.2 142.41,23.95 141.23,23.95 | C641.2 141.23,13.46 141.23,20.9 | 141.23,23.95 141.23,27.12 141.41,27.3 C654.2 141.99,27.3 142.9,26.4 143.24,26.4 143.61,26.04 v143.83,26.04 | 141.23,23.95 141.23,20.9 | R159.2 141.23,20.9
  Bottom 0.254: X13.1 144.21,24 v143.83,23.62
  Bottom 0.305: C685.2 147.76,17.59 v147.26,18.1
  Bottom 0.406: v142.43,14.73 142.43,14.22 U100.2 142.43,14.1 v142.43,13.53
  other vias: 149.29,29.46 149.29,28.19 149.29,32 149.29,33.27 145.41,23.62 143.76,21.21 145.41,21.21 146.94,21.21 148.59,21.21 149.29,30.73 143.51,28.19 143.76,36.32 144.53,36.32 146.81,38.54 150.3,43.62 147.45,41.02 149.29,36.96 149.29,39.88 148.97,8.51 150.81,8.38 145.86,12.7 149.29,45.34 148.59,23.62 146.3,8.95 142.81,9.97 148.4,12.57 148.27,26.04 148.34,43.5 146.9,33.62 142.3,11.24
  cutout Route2 (isolate 0.305): 147.83,40.64 148.97,40.64 148.97,27.94 148.72,27.69 148.72,26.54 148.08,26.54 148.08,27.81 147.83,28.07
  pour Top (isolate 0.152, rank 3): 140.97,47.5 151.64,47.5 151.64,6.86 140.97,6.86
  pour Route2 (isolate 0.152, rank 2): 140.97,47.5 151.64,47.5 151.64,6.86 140.97,6.86
  pour Route15 (isolate 0.152, rank 2): 140.97,47.5 151.64,47.5 151.64,6.86 140.97,6.86
  pour Bottom (isolate 0.152, rank 2): 140.97,47.5 151.64,47.5 151.64,6.86 140.97,6.86
  pour Top (isolate 0.102): 143.26,35.18 145.67,35.18 145.67,26.29 143.26,26.29
  pour Top (isolate 0.102): 147.38,40.64 149.48,40.64 149.48,26.29 147.38,26.29
  pour Top (isolate 0.102): 143.89,41.59 147.38,41.59 147.38,37.15 143.89,37.15
  pour Top (isolate 0.102): 143.32,46.61 147.89,46.61 147.89,41.59 143.32,41.59
GND13  (via drill 0.2)  (89 unrouted)
  Top 0.152: U105.30 157.6,28.26 157.29,28.57 157.1,28.57 | v156.53,28.57 157.1,28.57 | U105.31 157.1,28.57 | U105.29 158.09,27.04 158.09,27.91 158.37,28.19 v158.75,28.19 | v153.03,36.07 152.84,36.07 152.59,36.32 152.59,37.22 C739.1 | K14.2 152.89,44.94 v153.03,45.08
  Top 0.203: U106.2 155.07,34.36 154.69,33.97 v154.69,33.85
  Top 0.254: v158.75,28.19 158.75,28.13 159.1,27.78 U105.27 159.1,25.94 159.13,25.91 | 160.27,27.69 160.1,27.52 U105.25 160.1,26.25 159.77,25.91 159.13,25.91 | 156.6,26.05 U105.32 156.6,28.5 v156.53,28.57 | 156.6,26.05 v156.59,26.04 | U105.39 154.76,25.37 155,25.62 v155,26.04 | 159.13,25.91 158.12,25.91 | 158.12,25.91 157.61,25.91 | 157.61,25.91 157.1,25.91 | 157.1,25.91 156.74,25.91 156.6,26.05 | U105.31 157.1,25.91 | U105.30 157.6,25.91 157.61,25.91 | U105.29 158.1,25.92 158.12,25.91